# Altium PCB ELOC_Receiver.PcbDoc
Units mil, origin at the board's own origin, x right, y up, seen from the top; angles counter-clockwise.
Board outline 3149.61 x 2165.35 mil, 2 copper layers (Top Layer, Bottom Layer); 80 components, 40 nets, 262 pads, 390 vias.
Unrouted connection lines stored in the file: 2.
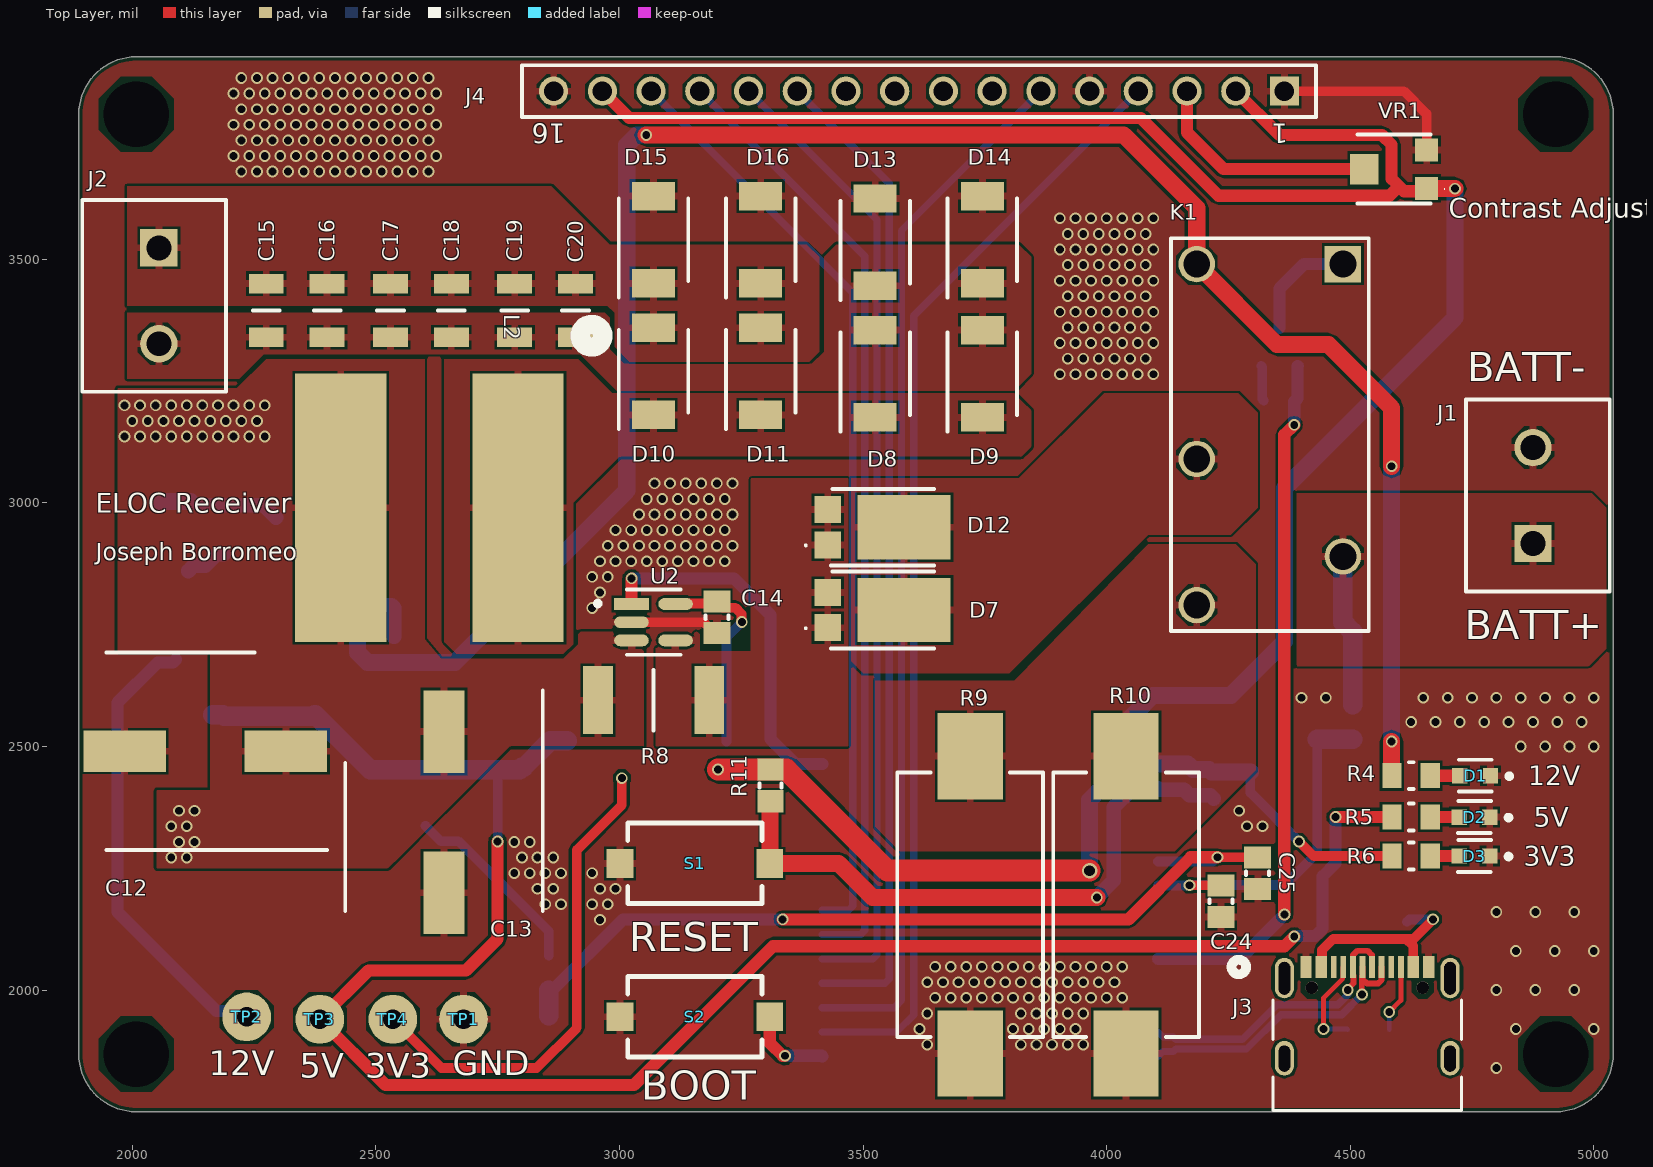
[diagram p0: Top Layer view]
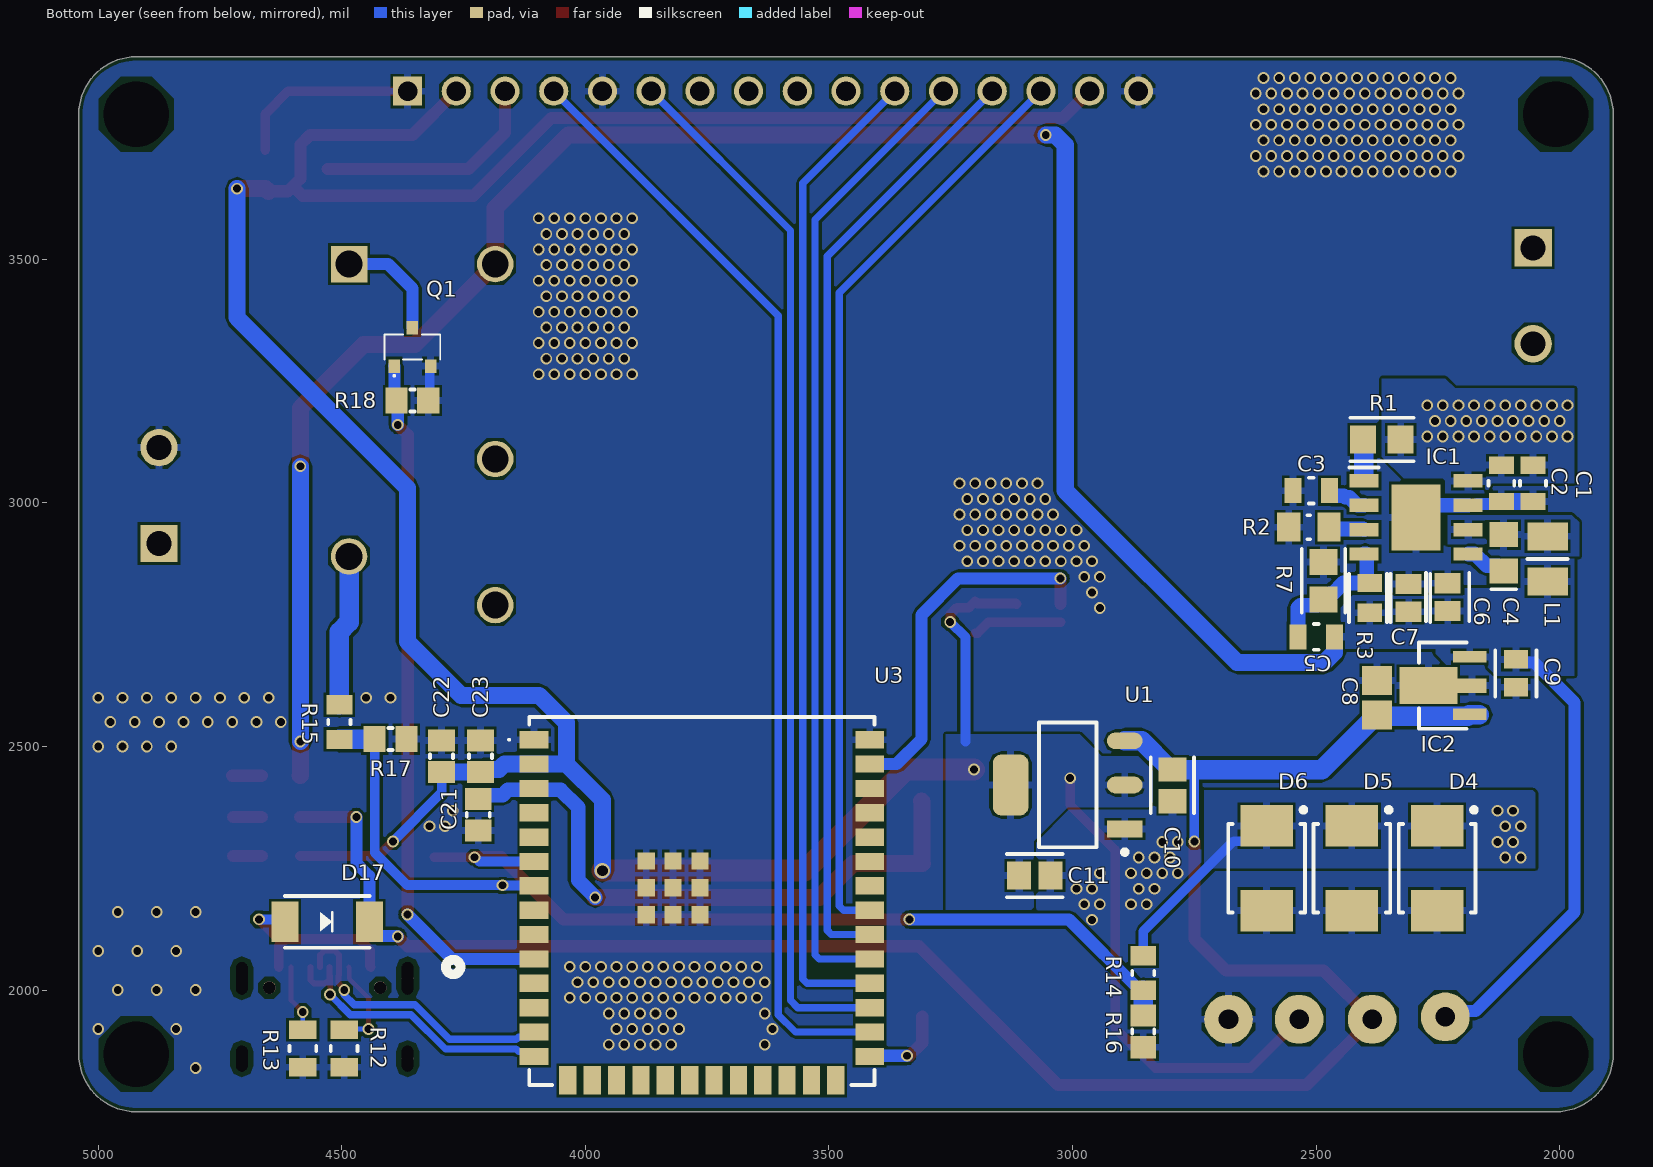
[diagram p1: Bottom Layer view, seen from below]
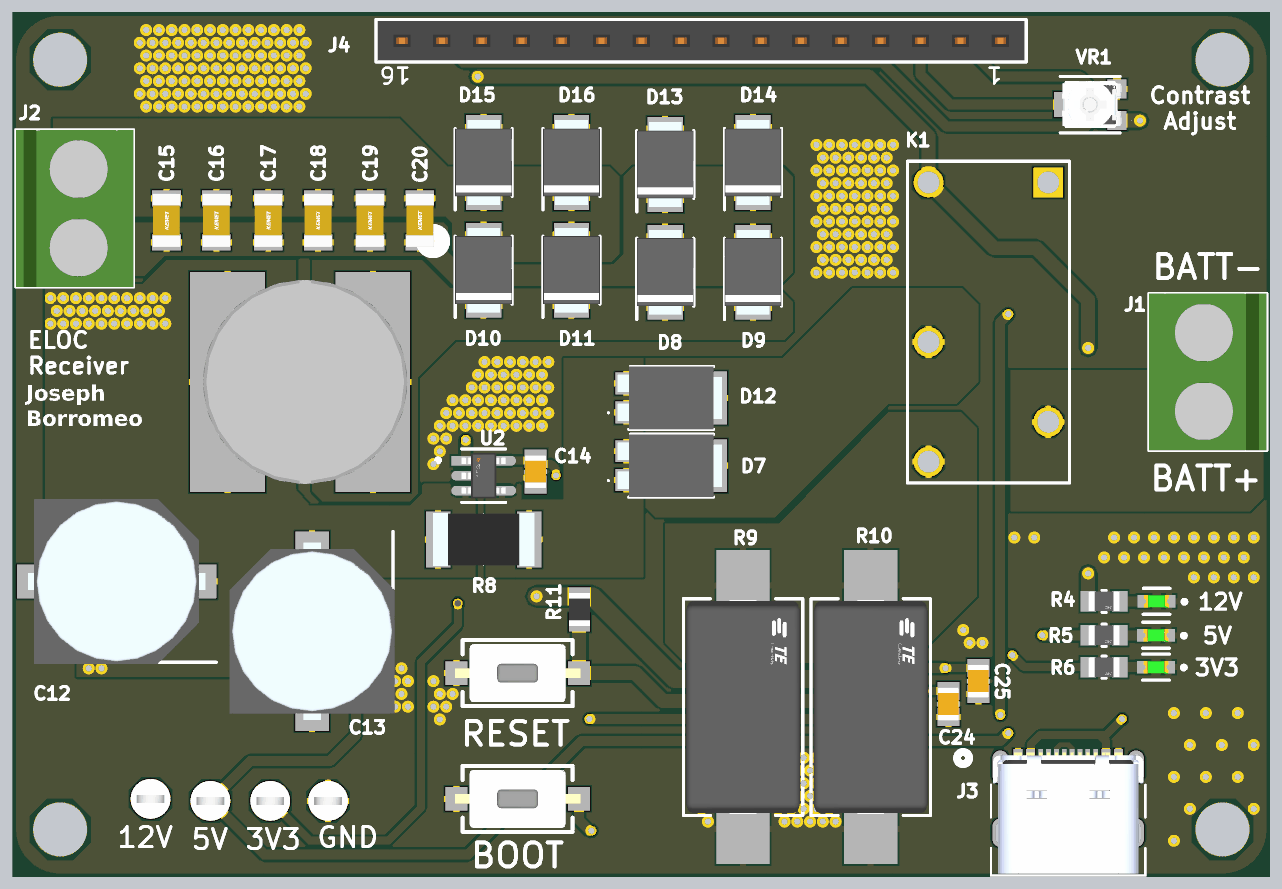
[diagram p2: 3D render of the assembled board from above, using the file's embedded part models]
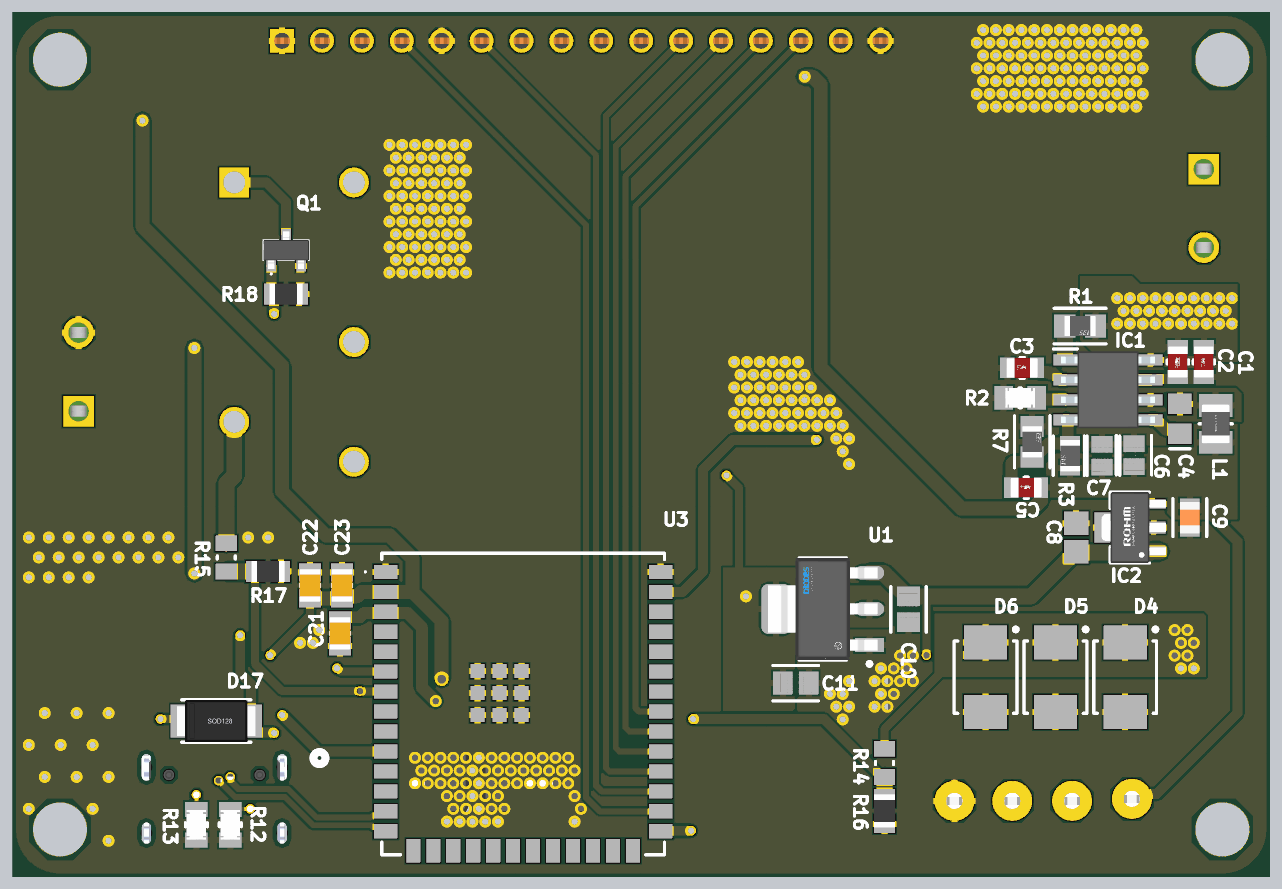
[diagram p3: 3D render of the assembled board from below, using the file's embedded part models]

## Layer stack, top to bottom
Top Solder: solder mask 0.4, Solder Resist, Dk 3.5
Top Layer: signal copper 1.4
Dielectric 1: dielectric 12.6, FR-4, Dk 4.8
Bottom Layer: signal copper 1.4
Bottom Solder: solder mask 0.4, Solder Resist, Dk 3.5

## Board outline
1890.25,1868.36 1890.25,3797.49 cw(c2008.36,3797.49) 2008.36,3915.6 4921.75,3915.6 cw(c4921.75,3797.49) 5039.86,3797.49 5039.86,1868.36 cw(c4921.75,1868.36) 4921.75,1750.25 2008.36,1750.25 cw(c2008.36,1868.36)

## Design rules (kind name [scope] priority, off if disabled: settings)
BoardOutlineClearance [All] p1: gap=7.87 ignorepadtopadclearanceinfootprint=FALSE
Clearance [All] p1: gap=5 ignorepadtopadclearanceinfootprint=FALSE except(9.84: Arc-Hole Track-Hole SMDPad-Hole THPad-Hole Via-Hole Fill-Hole Poly-Hole Region-Hole Text-Hole)
ComponentClearance [All] p1: gap=5 collisioncheckmode=3 verticalgap=5 showdistances=TRUE
DiffPairsRouting [All] p1: maxlimit=10 minlimit=5 mostfreqgap=5 toplayer_minwidth=5 toplayer_maxwidth=1000 toplayer_prefwidth=5 bottomlayer_minwidth=5 bottomlayer_maxwidth=1000 bottomlayer_prefwidth=5 maxuncoupledlength=500
Height [All] p1: minheight=0 maxheight=71497.94 prefheight=500
HoleSize [All] p1: absolutevalues=TRUE maxlimit=248.03 minlimit=11.81 maxpercent=80.000 minpercent=20.000
HoleToHoleClearance [All] p1: gap=9.84 allowstackedmicrovias=FALSE
MinimumAnnularRing [All] p1: minimumring=3
MinimumSolderMaskSliver [All] p1: minsoldermaskwidth=0
PlaneClearance [All] p1: clearance=5
PlaneConnect PlaneConnectPowerPads [InPadClass('PowerPads')] p1: planeconnectstyle=Direct reliefexpansion=20 reliefentries=4 reliefconductorwidth=10 reliefairgap=10
PlaneConnect [All] p2: pad.planeconnectstyle=Relief pad.reliefexpansion=11.81 pad.reliefentries=4 pad.reliefconductorwidth=5 pad.reliefairgap=5 via.planeconnectstyle=Direct via.reliefexpansion=11.81 via.reliefentries=4 via.reliefconductorwidth=5 via.reliefairgap=5
PolygonConnect PolygonConnectPowerPads [All vs (InPadClass('PowerPads'))] p1: connectstyle=Direct reliefconductorwidth=10 reliefentries=4 polygonreliefangle="90 Angle" airgapwidth=10
PolygonConnect [All] p2: thpad.connectstyle=Relief thpad.reliefconductorwidth=15 thpad.reliefentries=4 thpad.polygonreliefangle="90 Angle" thpad.airgapwidth=5 smdpad.connectstyle=Relief smdpad.reliefconductorwidth=15 smdpad.reliefentries=4 smdpad.polygonreliefangle="90 Angle" smdpad.airgapwidth=5 via.connectstyle=Direct via.reliefconductorwidth=5 via.reliefentries=4 via.polygonreliefangle="90 Angle" via.airgapwidth=5
RoutingVias [All] p1: holewidth=11.81 width=23.62 viastyle="Through Hole" minholewidth=11.81 minwidth=23.62 maxholewidth=23.62 maxwidth=259.84
SilkToSilkClearance [All] p1: silktosilkclearance=0
SilkToSolderMaskClearance [IsPad] p1: minsilkscreentomaskgap=5 clearancetoexposedcopper=TRUE
SolderMaskExpansion [All] p1: expansion=2.95 istentingtop=FALSE
Width [All] p1: maxlimit=1000 minlimit=5 preferedwidth=5 minimp=50.000000 maximp=50.000000 favimp=50.000000
20 further rules are at their usual default settings.

## Classes and differential pairs
differential pair D: +D_P -D_N

## Components (designator, comment, footprint, x,y, rotation, side; value= is the part's Value field where it differs from the comment)
C1 "885012207078" FP-885012207078-MFG 2055,3040 r270 bottom
C2 "885012207078" FP-885012207078-MFG 2120,3040 r270 bottom
C3 "885012207078" FP-885012207078-MFG 2510,3025 r0 bottom
C4 "C0805C104K1RACAUTO7210" C0805 2115,2897.4 r90 bottom
C5 "885012207078" FP-885012207078-MFG 2500,2725 r0 bottom
C6 "CL21A106KOQNNNG" FP-CL21-IPC_C 2230,2806.43 r270 bottom
C7 "CL21A106KOQNNNG" FP-CL21-IPC_C 2310,2805 r90 bottom
C8 "08055D104KAT2A" CAPC2013X140X50ML20T25 2375,2600 r270 bottom
C9 "CL21B334KBFNNNE" FP-CL21-F-IPC_C 2090,2650 r270 bottom value=330nF
C10 "CL21A106KOQNNNE" FP-CL21-IPC_B 2795,2420 r270 bottom
C11 "CL21A226MQQNNNG" FP-CL21-IPC_B 3077.51,2235 r0 bottom
C12 "UCD1K470MNL1GS" CAPAE1030X1080N 2150,2490 r180 top
C13 "UCD1K470MNL1GS" CAPAE1030X1080N 2640,2365 r270 top
C14 "C0805C104K5RACTU" CAP0805 3200,2765 r90 top
C15 "C1206C103JAGECAUTO" CAPC3216X110N 2275,3395 r90 top
C16 "C1206C103JAGECAUTO" CAPC3216X110N 2400,3395 r90 top
C17 "C1206C103JAGECAUTO" CAPC3216X110N 2530,3395 r90 top
C18 "C1206C103JAGECAUTO" CAPC3216X110N 2655,3395 r90 top
C19 "C1206C103JAGECAUTO" CAPC3216X110N 2785,3395 r90 top
C20 "C1206C103JAGECAUTO" CAPC3216X110N 2910,3395 r90 top
C21 "GRM21BR71C105KA01L" CAP0805 4220,2360 r90 bottom
C22 "CL21A226MOCLRNC" CAP0805 4295,2480 r270 bottom
C23 "C0805C104K5RACTU" CAP0805 4215,2480 r270 bottom
C24 "C0805C104K5RACTU" CAP0805 4235,2182.52 r90 top
C25 "C0805C104K5RACTU" CAP0805 4310,2240 r90 top
D1 "12V" FP-150060VS75000-MFG 4756.5,2440 r180 top
D2 "5V" FP-150060VS75000-MFG 4755,2355 r180 top
D3 "3V3" FP-150060VS75000-MFG 4755,2275 r180 top
D4 "1SMB5947BT3G" ONSC-SMB-2-403A-03_H_V 2251.83,2250 r270 bottom
D5 "1SMB5947BT3G" ONSC-SMB-2-403A-03_H_V 2426.83,2250 r270 bottom
D6 "1SMB5947BT3G" ONSC-SMB-2-403A-03_H_V 2601.83,2250 r270 bottom
D7 "MBR5U100-TP" MBR5U100TP 3540,2780 r0 top
D8 "STPS4S200UFN" SODFL5436X110N 3525,3265 r90 top
D9 "STPS4S200UFN" SODFL5436X110N 3745,3265 r90 top
D10 "STPS4S200UFN" SODFL5436X110N 3070,3270 r90 top
D11 "STPS4S200UFN" SODFL5436X110N 3290,3270 r90 top
D12 "MBR5U100-TP" MBR5U100TP 3540,2950 r0 top
D13 "STPS4S200UFN" SODFL5436X110N 3525,3535 r90 top
D14 "STPS4S200UFN" SODFL5436X110N 3745,3540 r90 top
D15 "STPS4S200UFN" SODFL5436X110N 3070,3540 r90 top
D16 "STPS4S200UFN" SODFL5436X110N 3290,3540 r90 top
D17 "D_PMEG3050EP,115" SOD-128 4530,2140 r180 bottom
IC1 "MP4541GN-Z" SOIC127P600X170-9N 2295,2970 r180 bottom
IC2 "AS78L05RTR-E1" DIODES_SOT-89 2240,2625 r90 bottom
J1 "691137710002" 691137710002 4885,3015 r90 top
J2 "691137710002" 691137710002 2045,3425 r270 top
J3 "USB4105-GF-A" USB4105_GCT 4535,1910 r0 top
J4 "61301611821" 61301611821 3615,3845 r180 top
K1 "ALQ112" PNSC-LQ-5-2000x1000x1600_V 4485,3490 r270 top
L1 "LBR2518T100K" FP-LB2518-1_8-0_2-IPC_A 2025,2885 r270 bottom
L2 "SDR1307-180ML" SDR1307-220ML 2610,2990 r270 top
Q1 "T2N7002BK,LM" TBAT54CLM 4355,3320 r180 bottom
R1 "RMCF0805JT10K0" FP-RMCF0805-IPC_A 2365,3130 r180 bottom
R2 "CRCW080580K6FKEA" FP-CRCW0805-e3-IPC_A 2515,2950 r0 bottom
R3 "RMCF0805FT110K" FP-RMCF0805-IPC_C 2390,2805 r270 bottom
R4 "RNCP0805FTD1K00" FP-RNCP0805-MFG 4625,2440 r180 top
R5 "RNCP0805FTD1K00" FP-RNCP0805-MFG 4625,2355 r180 top
R6 "RNCP0805FTD1K00" FP-RNCP0805-MFG 4625,2275 r180 top
R7 "RMCF0805JT10K0" FP-RMCF0805-IPC_A 2485,2840 r90 bottom
R8 "SHUNT" RESC6434X90N 3070,2595 r0 top
R9 "SMF51K0JT" FP-SMF5-MFG 3720,2175 r270 top
R10 "SMF51K0JT" FP-SMF5-MFG 4040,2175 r270 top
R11 "RC0805FR-0710KL" RES0805 3310,2420 r90 top
R12 "CRCW08055K10FKEA" FP-CRCW0805-e3-MFG 4495,1880 r270 bottom
R13 "CRCW08055K10FKEA" FP-CRCW0805-e3-MFG 4580,1880 r270 bottom
R14 "RC0805FR-07267KL" RESC2013X60X35NL10T20 2855,2035 r90 bottom
R15 "RC0805FR-07267KL" RESC2013X60X35NL10T20 4505,2550 r90 bottom
R16 "RC0805FR-0710KL" RES0805 2855,1915 r270 bottom
R17 "RC0805FR-0710KL" RES0805 4400,2515 r0 bottom
R18 "RC0805FR-0710KL" RES0805 4355,3210 r0 bottom
S1 "RESET" Tactile_Button_3X6X2 3155,2260 r180 top
S2 "BOOT" Tactile_Button_3X6X2 3155,1945 r180 top
TP1 "GND" TESTPOINT_LOOP 2680,1940 r0 top
TP2 "12V" TESTPOINT_LOOP 2235,1945 r0 top
TP3 "5V" TESTPOINT_LOOP 2385,1940 r0 top
TP4 "3V3" TESTPOINT_LOOP 2535,1940 r0 top
U1 "AZ1117IH-3.3TRG1" FP-SOT223-IPC_B 3010,2420.91 r0 bottom
U2 "INA180A1IDBVR" FP-DBV0005A-IPC_A 3070,2755 r0 top
U3 "ESP32-S2-SOLO-U-N4" ESP32S2SOLOUN4 3760.94,2182.72 r180 bottom
VR1 "TC33X-2-203E" TC33X2503E 4590,3685 r90 top

## Footprints (in the part's own frame and the unit in brackets; to place one, negate y for a bottom-side part, rotate by r counter-clockwise, add the part's x,y. Pads: shape width x height; smd on the part's side, far side on the other; paste and mask are expansions set on the pad)
61301611821 [mm] "Socket Header, Pitch 2.54 mm, THT, Vertical, single row, 16p"
  rect 1.52x1.52 hole 1.02: 1(-19.05,0)
  round 1.52 hole 1.02: 2(-16.51,0) 3(-13.97,0) 4(-11.43,0) 5(-8.89,0) 6(-6.35,0) 7(-3.81,0) 8(-1.27,0) 9(1.27,0) 10(3.81,0) 11(6.35,0) 12(8.89,0) 13(11.43,0) 14(13.97,0) 15(16.51,0) 16(19.05,0)
  silkscreen extent -20.7,-1.35 20.7,1.35, body extent -20.57,-1.25 20.57,1.25, height 8.55
691137710002 [mm] "Horizontal Cable Entry with Pressure Clamp, pitch 5mm, 02p"
  rect 1.95x1.95 hole 1.3: 1(-2.5,0.25)
  round 1.95 hole 1.3: 2(2.5,0.25)
  silkscreen extent -5,-3.75 5,3.75, body extent -5,-3.75 5,3.75, height 11.6
C0805 [mm]
  rect 1.3x1.5 smd: 1(-0.95,0) 2(0.95,0)
  silkscreen extent -1.9,-0.65 -1.9,0.65
CAP0805 [mm] "Capacitor with Footprint 0805"
  rect 1.15x1.4 smd: 1(-0.825,0) 2(0.825,0)
  silkscreen extent -0.1,-0.6 0.1,0.6, body extent -1.05,-0.67 1.05,0.67, height 1.55
CAPAE1030X1080N [mm]
  rect 4.3x2.15 smd: 1(-4.2,0) 2(4.2,0)
  silkscreen extent -6.35,-5.15 5.15,5.15, body extent -5.65,-5.25 5.65,5.25, height 10.8
CAPC2013X140X50ML20T25 [mm] "Chip Capacitor, 2-Leads, Body 2.00x1.25mm, IPC Low Density"
  rect 1.5x1.55 smd: 1(-0.9,0) 2(0.9,0)
  body extent -1.1,-0.72 1.1,0.72, height 1.4
CAPC3216X110N [mm]
  rect 1.02x1.82 smd: 1(-1.4,0) 2(1.4,0)
  silkscreen extent 0,-0.7 0,0.7, body extent -1.7,-0.9 1.7,0.9, height 1
DIODES_SOT-89 [mm]
  rect 0.58x1.73 smd: 1(-1.5,-1.4) 3(1.5,-1.4)
  rect 0.76x1.5 smd: 2(0,-1.515)
  rect 1.933x3.03 smd: 4(0,0.75)
  silkscreen extent -2.25,-1.25 2.25,1.25, body extent -2.25,-2.3 2.25,1.8, height 1.6
ESP32S2SOLOUN4 [mm]
  rect 1.5x0.9 smd: 1(-8.75,8.41) 2(-8.75,7.14) 3(-8.75,5.87) 4(-8.75,4.6) 5(-8.75,3.33) 6(-8.75,2.06) 7(-8.75,0.79) 8(-8.75,-0.48) 9(-8.75,-1.75) 10(-8.75,-3.02) 11(-8.75,-4.29) 12(-8.75,-5.56) 13(-8.75,-6.83) 14(-8.75,-8.1) 27(8.75,-8.1) 28(8.75,-6.83) 29(8.75,-5.56) 30(8.75,-4.29) 31(8.75,-3.02) 32(8.75,-1.75) 33(8.75,-0.48) 34(8.75,0.79) 35(8.75,2.06) 36(8.75,3.33) 37(8.75,4.6) 38(8.75,5.87) 39(8.75,7.14) 40(8.75,8.41)
  rect 0.9x1.5 smd: 15(-6.985,-9.35) 16(-5.715,-9.35) 17(-4.445,-9.35) 18(-3.175,-9.35) 19(-1.905,-9.35) 20(-0.635,-9.35) 21(0.635,-9.35) 22(1.905,-9.35) 23(3.175,-9.35) 24(4.445,-9.35) 25(5.715,-9.35) 26(6.985,-9.35)
  rect 0.9x0.9 smd: 41(-1.5,0.69) 42(-1.5,2.09) 43(-2.9,2.09) 44(-2.9,0.69) 45(-2.9,-0.71) 46(-1.5,-0.71) 47(-0.1,-0.71) 48(-0.1,0.69) 49(-0.1,2.09)
  silkscreen extent -10.1,-9.6 9,9.6
FP-150060VS75000-MFG [mm]
  rect 0.8x0.8 smd paste+0 mask+0: 1(-0.8,0) 2(0.8,0)
  silkscreen extent -1.9,-0.83 0.85,0.82, body extent -1.3,-0.55 1.3,0.55, height 0.25
FP-885012207078-MFG [mm]
  rect 0.9x1.3 smd paste+0 mask+0: 1(-0.95,0) 2(0.95,0)
  silkscreen extent -0.13,-0.67 0.13,0.67, body extent -1,-0.63 1,0.63, height 1.35
FP-CL21-F-IPC_C [mil]
  rect 37.71x49.69 smd paste+0 mask+0: 1(-28.63,0) 2(28.63,0)
  silkscreen extent -47,-42 47,42, body extent -39,-25 39,25, height 53
FP-CL21-IPC_B [mil]
  rect 49.4x57.33 smd paste+0 mask+0: 1(-32.51,0) 2(32.51,0)
  silkscreen extent -57,-44 57,44, body extent -39,-25 39,25, height 57
FP-CL21-IPC_C [mil]
  rect 41.52x53.39 smd paste+0 mask+0: 1(-28.57,0) 2(28.57,0)
  silkscreen extent -49,-44 49,44, body extent -39,-25 39,25, height 57
FP-CRCW0805-e3-IPC_A [mil]
  rect 47.5x59.38 smd paste+0 mask+0: 1(-41.37,0) 2(41.37,0)
  silkscreen extent -3,-25 3,25, body extent -39,-25 39,25, height 20
FP-CRCW0805-e3-MFG [mm]
  rect 0.95x1.45 smd paste+0 mask+0: 1(-0.975,0) 2(0.975,0)
  silkscreen extent -0.13,-0.7 0.13,0.7, body extent -1,-0.63 1,0.63, height 0.5
FP-DBV0005A-IPC_A [mm]
  rect 1.805x0.612 smd paste+0 mask+0: 1(-1.15,0.95)
  rrect100% 1.805x0.612 smd paste+0 mask+0: 2(-1.15,0) 3(-1.15,-0.95) 4(1.15,-0.95) 5(1.15,0.95)
  silkscreen extent -3.03,-1.7 1.4,1.7, body extent -2.55,-1.95 2.55,1.95, height 0.25
FP-LB2518-1_8-0_2-IPC_A [mil]
  rect 57.28x82.92 smd paste+0 mask+0: 1(-46.29,0) 2(46.29,0)
  silkscreen extent 0,-41 0,41, body extent -49,-35 49,35, height 79
FP-RMCF0805-IPC_A [mil]
  rect 53.33x57.56 smd paste+0 mask+0: 1(-38.42,0) 2(38.42,0)
  silkscreen extent -65,-45 65,45, body extent -39,-25 39,25, height 26
FP-RMCF0805-IPC_C [mil]
  rect 37.58x49.69 smd paste+0 mask+0: 1(-30.54,0) 2(30.54,0)
  silkscreen extent -49,-42 49,42, body extent -39,-25 39,25, height 26
FP-RNCP0805-MFG [mm]
  rect 1x1.3 smd paste+0 mask+0: 1(-1,0) 2(1,0)
  silkscreen extent -0.13,-0.7 0.13,0.7, body extent -1.6,-0.8 1.6,0.8, height 0.25
FP-SMF5-MFG [mm]
  rect 4.5x3.4 smd paste+0 mask+0: 1(-7.75,0) 2(7.75,0)
  silkscreen extent -6.9,-3.8 6.9,3.8, body extent -10.1,-3.9 10.1,3.9, height 0.25
FP-SOT223-IPC_B [mm]
  rect 1.86x0.872 smd paste+0 mask+0: 1(-2.976,2.3)
  rrect100% 1.86x0.872 smd paste+0 mask+0: 2(-2.976,0) 3(-2.976,-2.3)
  rrect47% 1.86x3.172 smd paste+0 mask+0: 4(2.976,0)
  silkscreen extent -3.1,-3.25 1.5,3.62, body extent -3.5,-3.25 3.5,3.25, height 1.8
MBR5U100TP [mm]
  rect 1.4x1.4 smd: 1(-2.855,-0.92) 2(-2.855,0.92)
  rect 4.86x3.36 smd: 3(1.125,0)
  silkscreen extent -4.05,-2 2.7,2, body extent -3.41,-2 3.22,2, height 1.3
ONSC-SMB-2-403A-03_H_V [mil] "Molded, 2-Leads, Body 4.6x3.95mm"
  rect 85x107.99 smd: 1(-87.01,0) 2(87.01,0)
  silkscreen extent -125,-79 91,81, body extent -91,-78 91,78, height 95
PNSC-LQ-5-2000x1000x1600_V [mm] "LQ, 5-Leads, Body 20x10mm"
  rect 1.9x1.9 hole 1.4: 1(0,0)
  round 1.9 hole 1.4: 2(15.24,0) 3(17.78,-7.62) 4(10.16,-7.62) 5(0,-7.62)
  silkscreen extent -1.35,-8.97 19.13,1.35, body extent -1.11,-8.81 18.89,1.19, height 16.6
RES0805 [mm] "Resistor with 0805 Footprint"
  rect 1.15x1.35 smd: 1(-0.825,0) 2(0.825,0)
  silkscreen extent -0.1,-0.58 0.1,0.58, body extent -1.05,-0.67 1.05,0.67, height 0.6
RESC2013X60X35NL10T20 [mm] "Chip Resistor, 2-Leads, Body 2.00x1.25mm, IPC Medium Density"